# KiCad board 3by3 remade.kicad_pcb
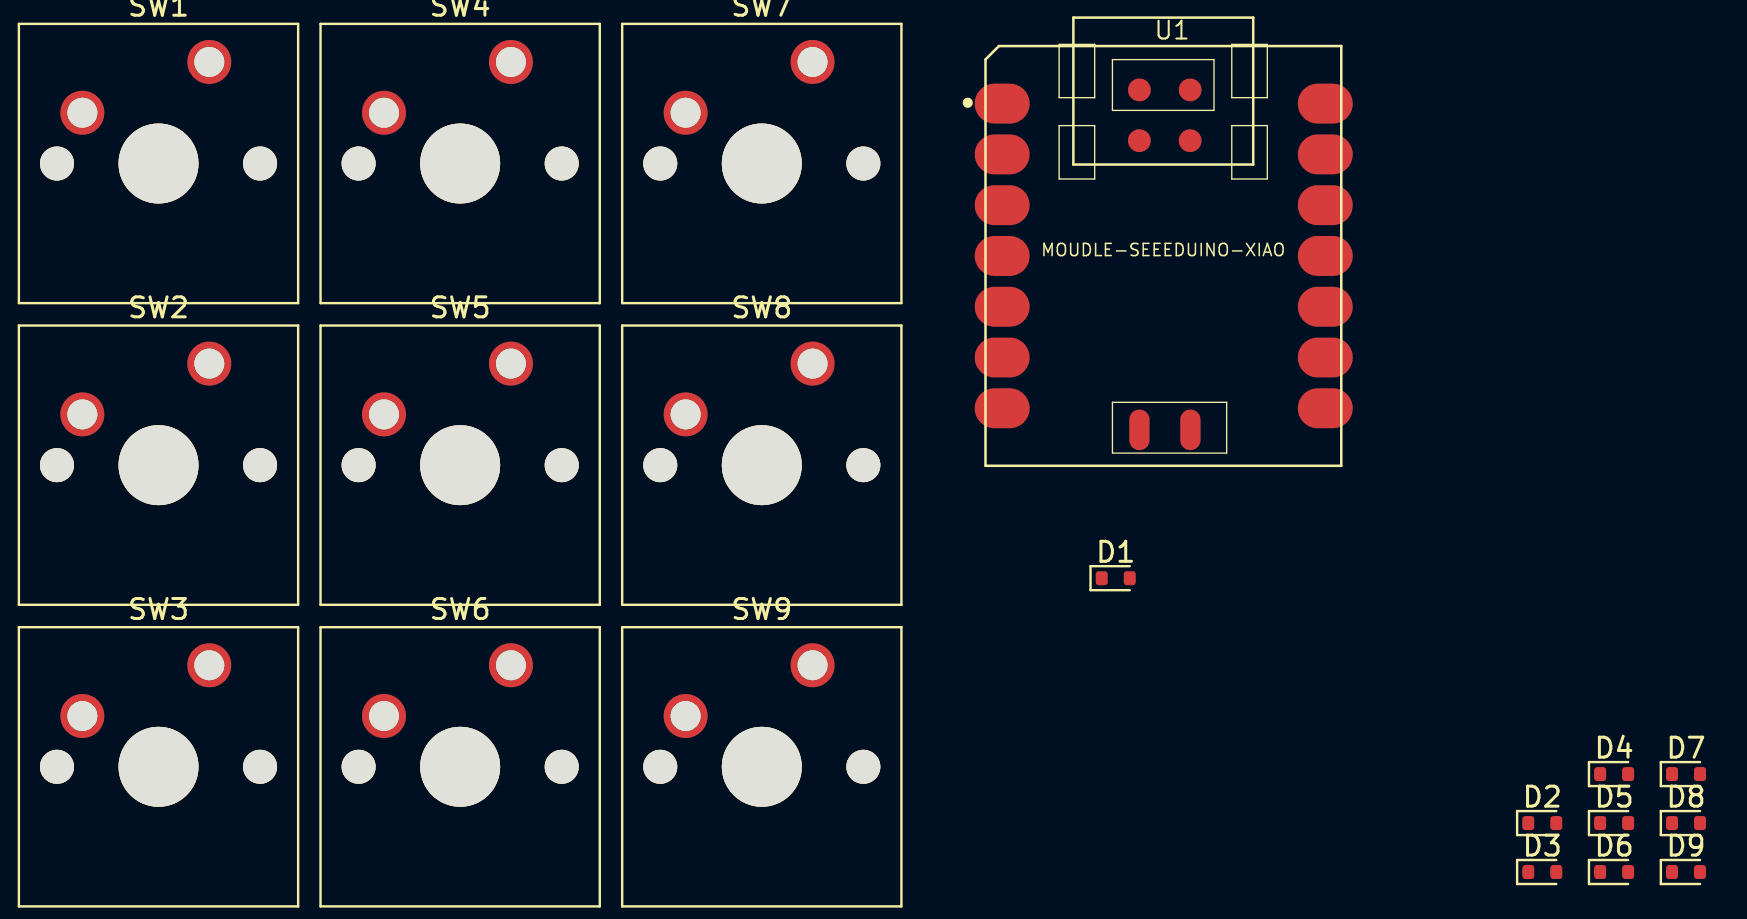
[diagram p0: board, top side]
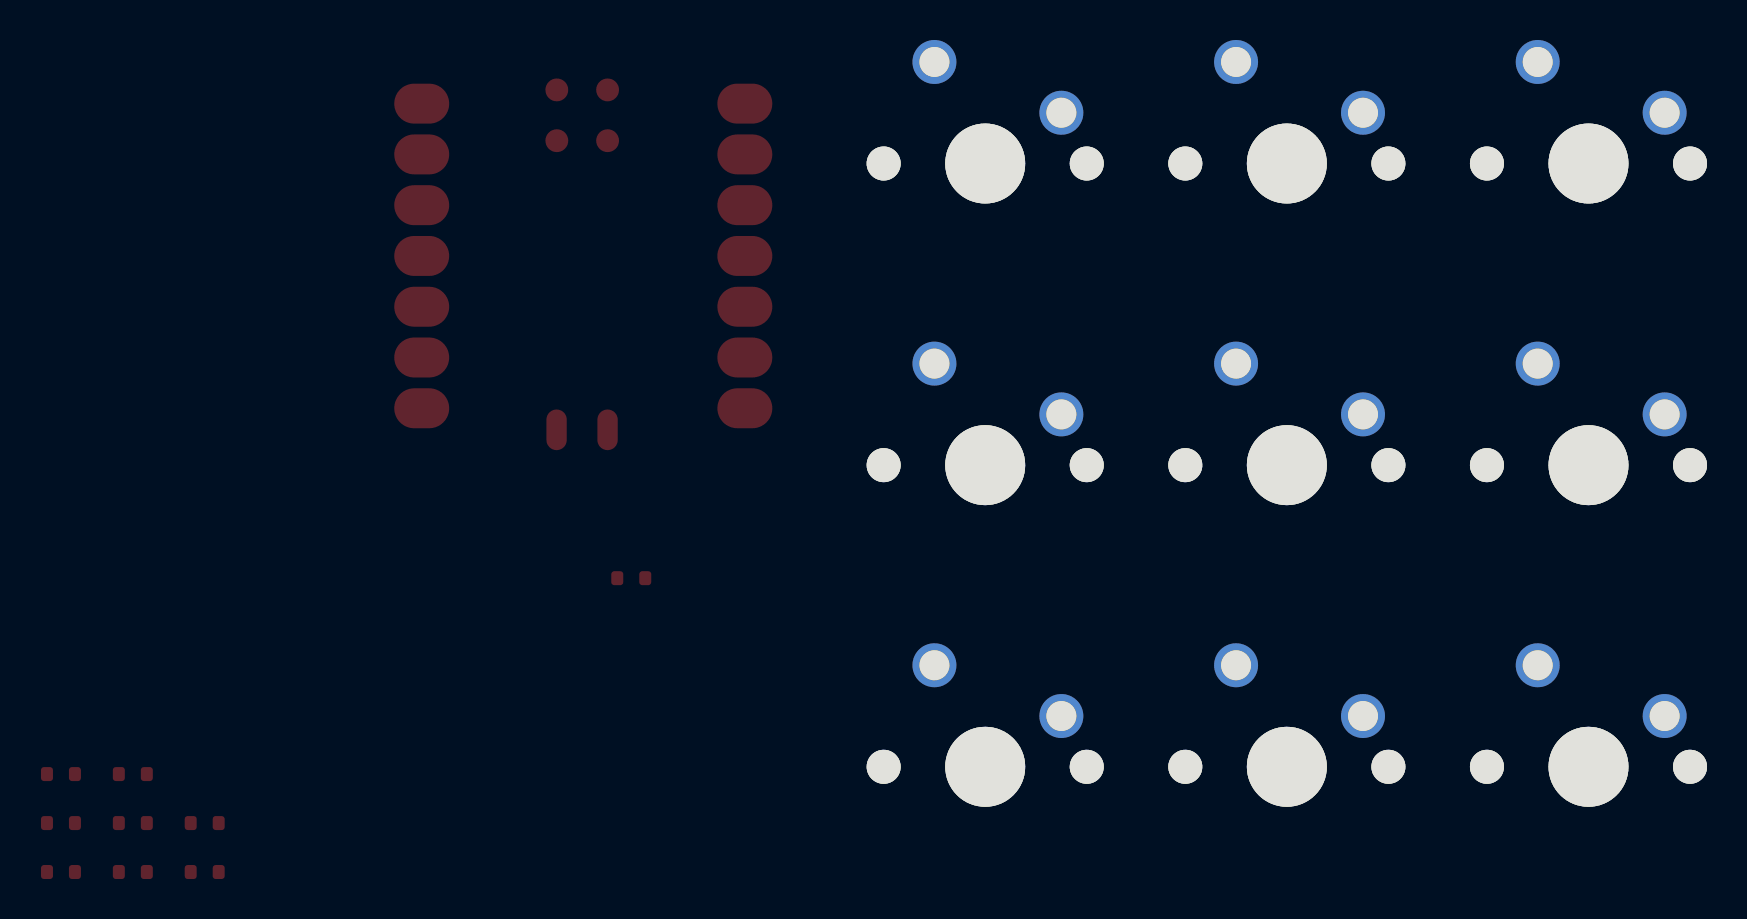
[diagram p1: board, bottom side, seen from below]

No outline. copper layers: Top, Bottom. Coordinates in mm from the lowest, leftmost part position.

## Placement (name value [footprint] x y rotation side)
D1  1N4148WT  [D_SOD-523]  45.35 14.7 0 top
D2  1N4148WT  [D_SOD-523]  66.69 2.45 0 top
D3  1N4148WT  [D_SOD-523]  66.69 0 0 top
D4  1N4148WT  [D_SOD-523]  70.28 4.9 0 top
D5  1N4148WT  [D_SOD-523]  70.28 2.45 0 top
D6  1N4148WT  [D_SOD-523]  70.28 0 0 top
D7  1N4148WT  [D_SOD-523]  73.88 4.9 0 top
D8  1N4148WT  [D_SOD-523]  73.88 2.45 0 top
D9  1N4148WT  [D_SOD-523]  73.88 0 0 top
SW1  SW_Push  [SW_Cherry_MX_1.00u_PCB]  0 40.52 0 top
SW2  SW_Push  [SW_Cherry_MX_1.00u_PCB]  0 25.43 0 top
SW3  SW_Push  [SW_Cherry_MX_1.00u_PCB]  0 10.34 0 top
SW4  SW_Push  [SW_Cherry_MX_1.00u_PCB]  15.09 40.52 0 top
SW5  SW_Push  [SW_Cherry_MX_1.00u_PCB]  15.09 25.43 0 top
SW6  SW_Push  [SW_Cherry_MX_1.00u_PCB]  15.09 10.34 0 top
SW7  SW_Push  [SW_Cherry_MX_1.00u_PCB]  30.18 40.52 0 top
SW8  SW_Push  [SW_Cherry_MX_1.00u_PCB]  30.18 25.43 0 top
SW9  SW_Push  [SW_Cherry_MX_1.00u_PCB]  30.18 10.34 0 top
U1  MOUDLE-SEEEDUINO-XIAO  [Seeeduino XIAO-MOUDLE14P-2.54-21X17.8MM]  38.83 20.32 0 top

## Library data of the parts
D1-D9 = -: Datasheet: https://www.diodes.com/assets/Datasheets/ds30396.pdf; Description: 75V 0.15A Fast switching Diode, SOD-523; Sim.Device: D; Sim.Pins: 1=K 2=A; ki_fp_filters: D*SOD?523*
SW1-SW9 = -: Description: Push button switch, generic, two pins

## Footprints (pads in the part's own frame, mm; a bottom-side part is the same pattern mirrored in y, then rotated)
D_SOD-523
  rrect 0.6x0.7 smd: 1(-0.7,0) 2(0.7,0)
Seeeduino XIAO-MOUDLE14P-2.54-21X17.8MM
  oval 2.748x1.999 smd: 1(0.833,18.118) 2(0.833,15.578) 3(0.833,13.038) 4(0.833,10.498) 5(0.833,7.958) 6(0.833,5.418) 7(0.833,2.878) 8(16.998,2.878) 9(16.998,5.418) 10(16.998,7.958) 11(16.998,10.498) 12(16.998,13.038) 13(16.998,15.578) 14(16.998,18.118)
  oval 1.016x2.032 smd: 15(7.7,1.8) 16(10.25,1.8)
  round 1.143 smd: 17(7.699,18.804) 18(10.239,18.804) 19(7.699,16.264) 20(10.239,16.264)
SW_Cherry_MX_1.00u_PCB
  round 1.7 hole 1.7 unplated: (-7.62,-5.08) (2.54,-5.08)
  round 4 hole 4 unplated: (-2.54,-5.08)
  round 2.2 hole 1.5: 1(0,0) 2(-6.35,-2.54)

## Nets
Column 0: SW1.1 SW4.1 SW7.1 U1.1
Column 1: SW2.1 SW5.1 SW8.1 U1.2
Column 2: SW3.1 SW6.1 SW9.1 U1.3
Row 0: D1.1 D2.1 D3.1 U1.4
Row 1: D4.1 D5.1 D6.1 U1.5
Row 2: D7.1 D8.1 D9.1 U1.6
Net-(D1-A): D1.2 SW1.2
Net-(D2-A): D2.2 SW2.2
Net-(D3-A): D3.2 SW3.2
Net-(D4-A): D4.2 SW4.2
Net-(D5-A): D5.2 SW5.2
Net-(D6-A): D6.2 SW6.2
Net-(D7-A): D7.2 SW7.2
Net-(D8-A): D8.2 SW8.2
Net-(D9-A): D9.2 SW9.2

Pads without a net: U1 7 8 9 10 11 12 13 14 15 16 17 18 19 20
